# KiCad board MyCPU.kicad_pcb
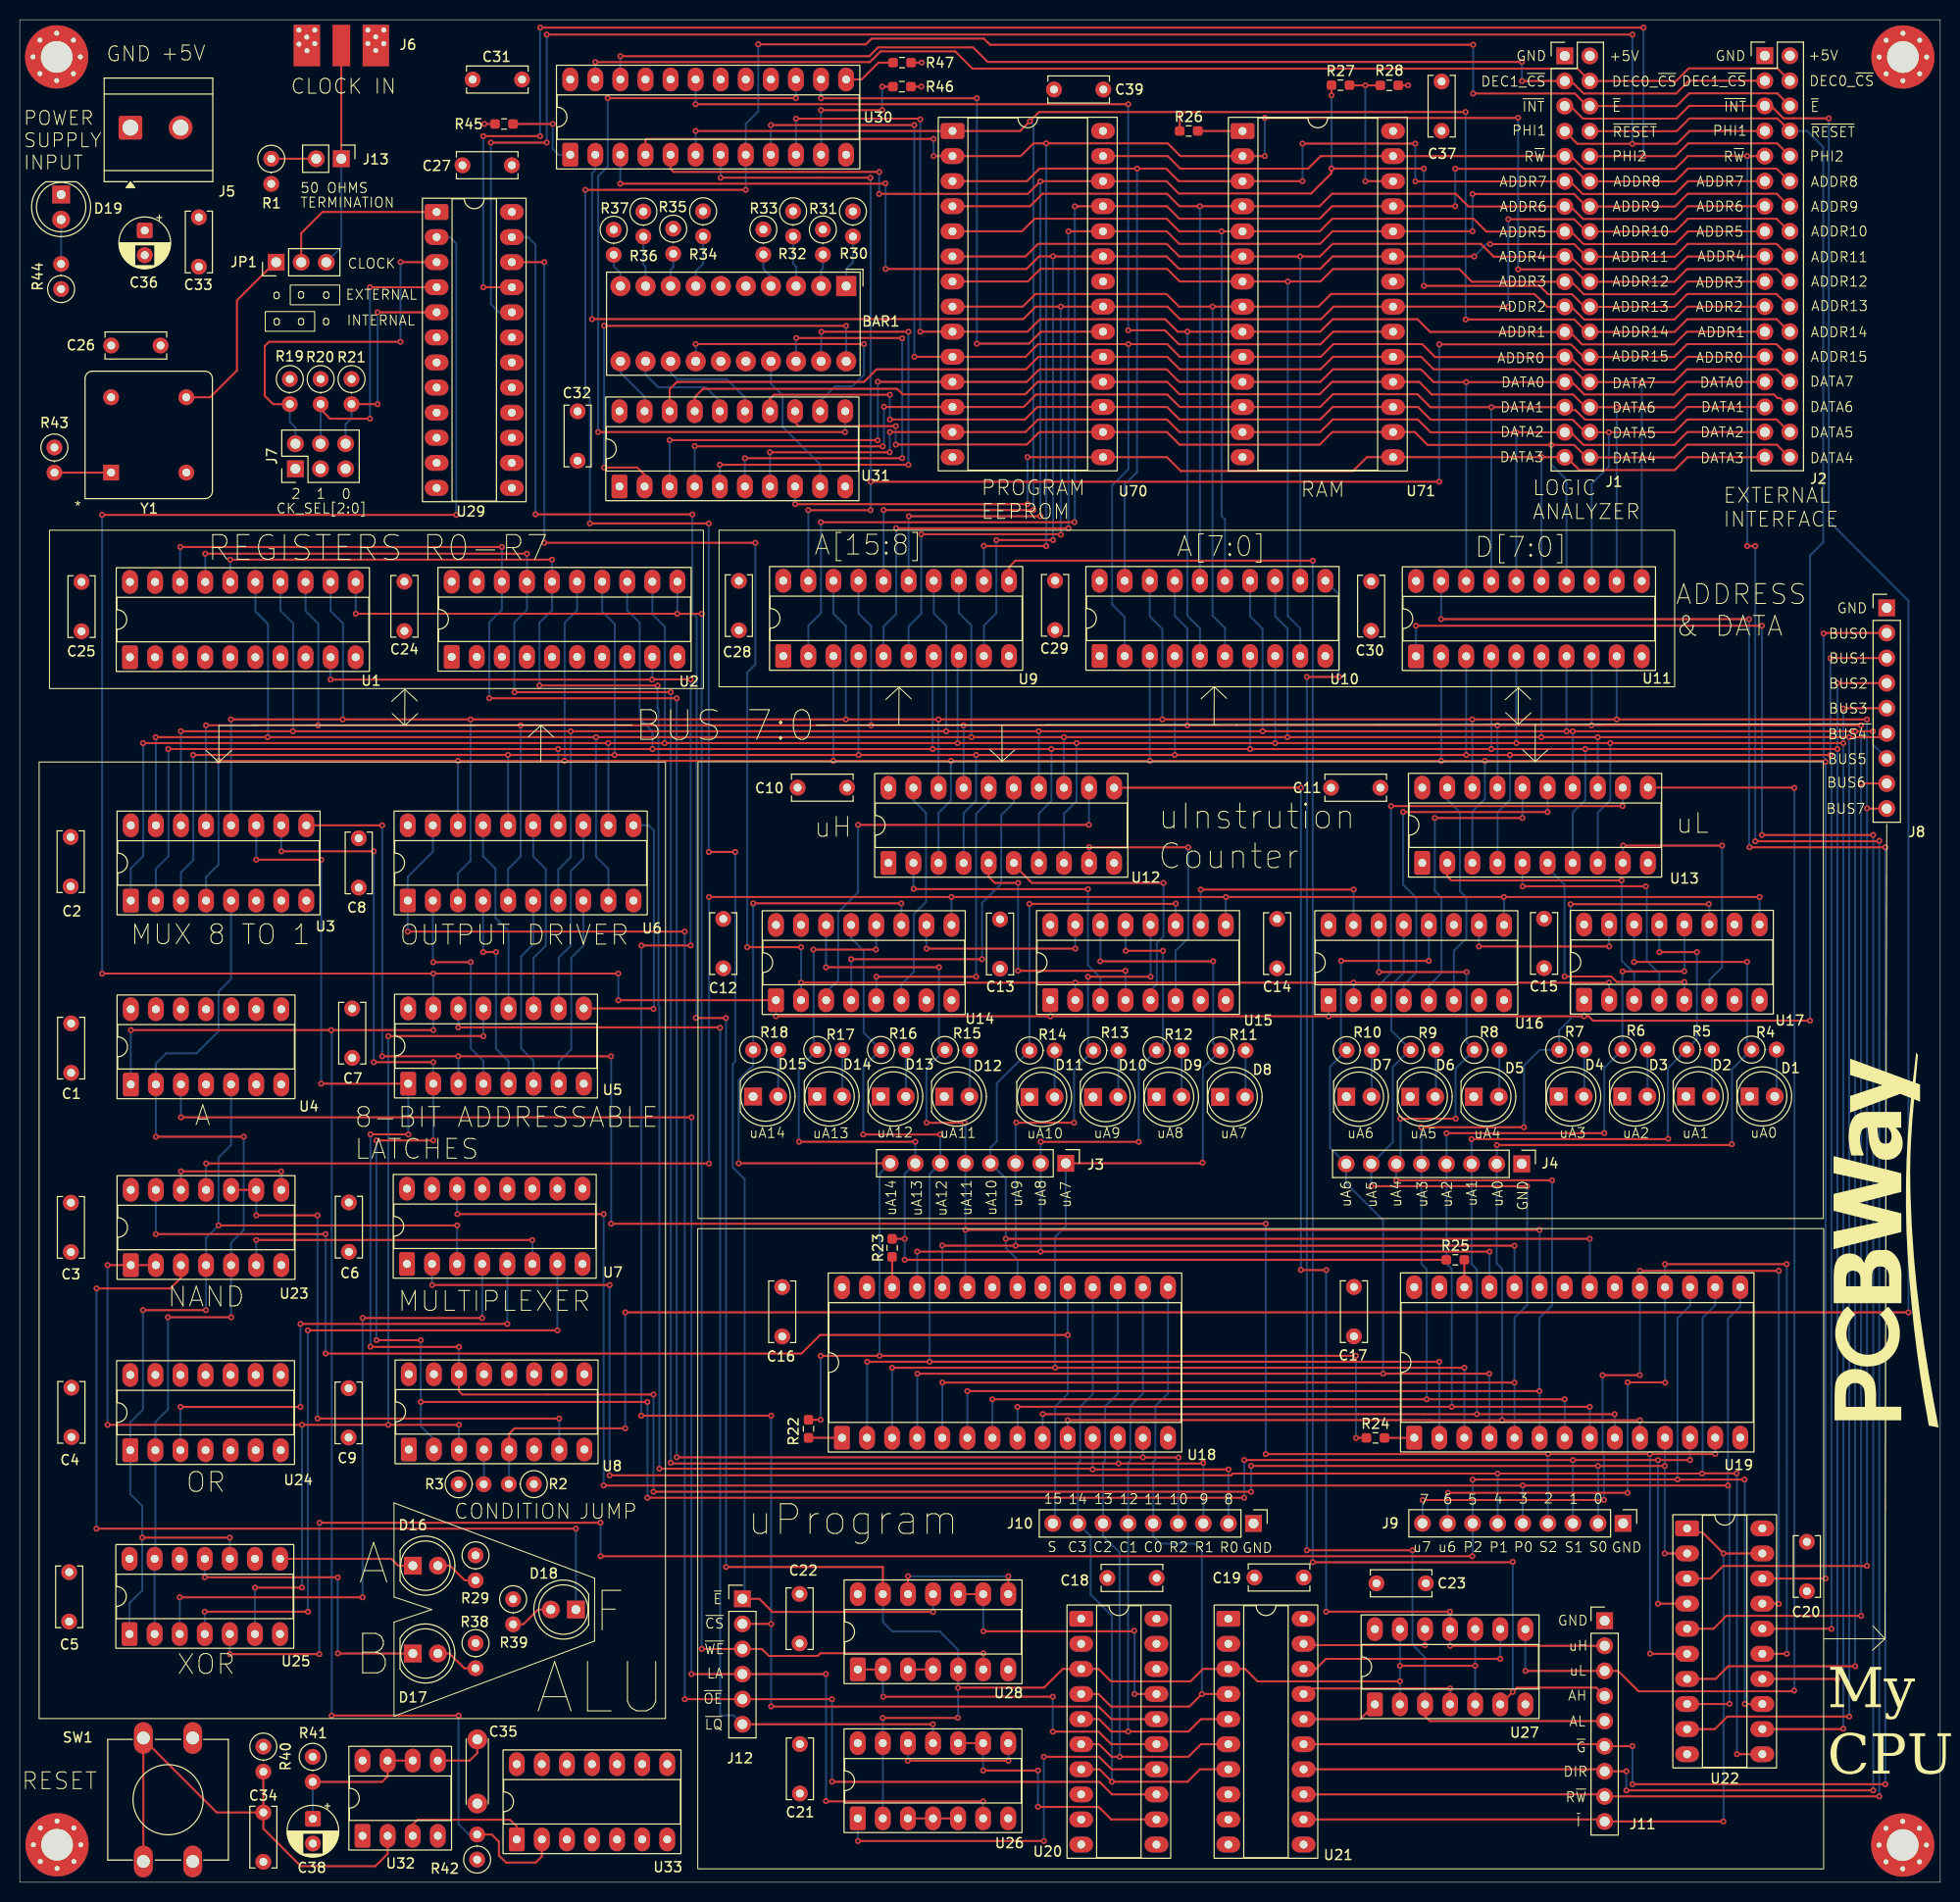
[diagram p0: board, top side]
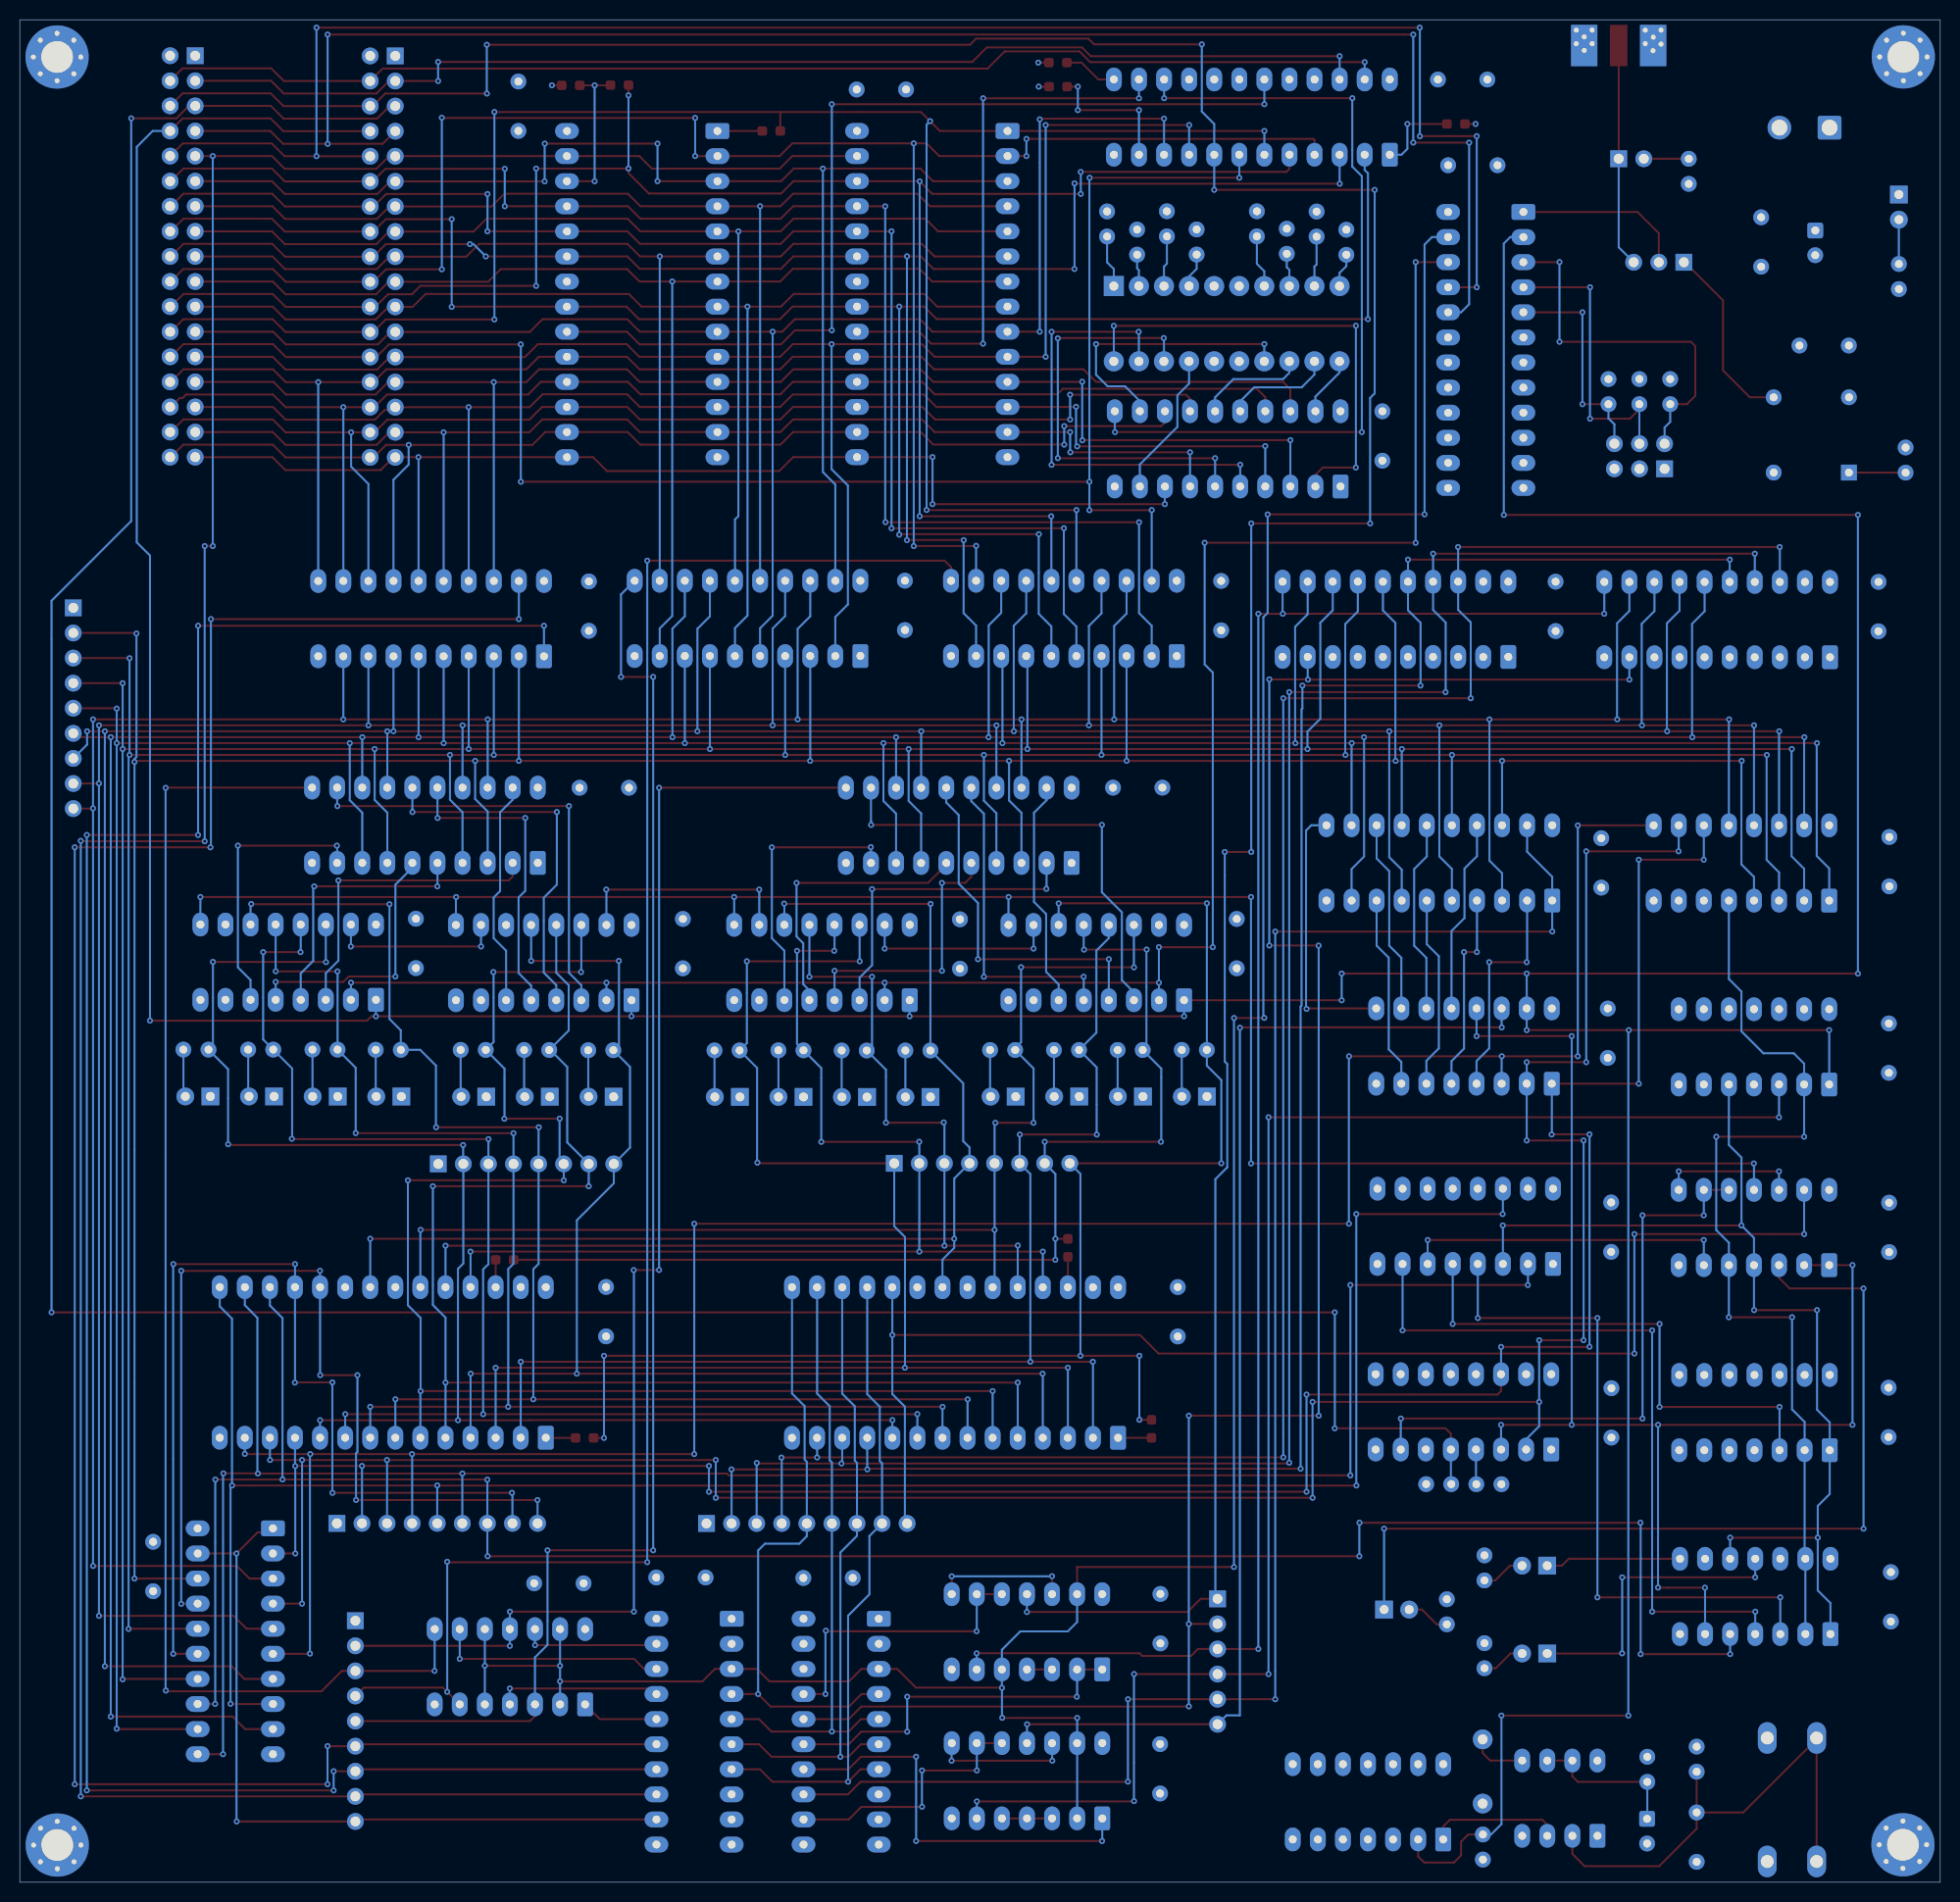
[diagram p1: board, bottom side, seen from below]

Outline 194.5 x 188.55 mm; copper layers: Top, In1.Cu, In2.Cu, Bottom. Coordinates in mm from the lower left corner of the outline.
Outline path: rectangle 0,188.55 194.5,0
Stack: Top 0.035mm / dielectric 0.1mm FR4 er 4.5 / In1.Cu 0.035mm / dielectric 1.24mm FR4 er 4.5 / In2.Cu 0.035mm / dielectric 0.1mm FR4 er 4.5 / Bottom 0.035mm

## Placement (name value [footprint] x y rotation side)
BAR1  HDSP-4830_2  [HDSP-4830]  83.7 161.59 270 top
C1  0.1uF  [C_Disc_D6.0mm_W2.5mm_P5.00mm]  5.21 86.94 270 top
C2  0.1uF  [C_Disc_D6.0mm_W2.5mm_P5.00mm]  5.16 105.82 270 top
C3  0.1uF  [C_Disc_D6.0mm_W2.5mm_P5.00mm]  5.18 68.79 270 top
C4  0.1uF  [C_Disc_D6.0mm_W2.5mm_P5.00mm]  5.23 50.07 270 top
C5  0.1uF  [C_Disc_D6.0mm_W2.5mm_P5.00mm]  5 31.39 270 top
C6  0.1uF  [C_Disc_D6.0mm_W2.5mm_P5.00mm]  33.33 68.82 270 top
C7  0.1uF  [C_Disc_D6.0mm_W2.5mm_P5.00mm]  33.67 88.45 270 top
C8  0.1uF  [C_Disc_D6.0mm_W2.5mm_P5.00mm]  34.33 105.69 270 top
C9  0.1uF  [C_Disc_D6.0mm_W2.5mm_P5.00mm]  33.31 50.02 270 top
C10  0.1uF  [C_Disc_D6.0mm_W2.5mm_P5.00mm]  83.78 110.81 180 top
C11  0.1uF  [C_Disc_D6.0mm_W2.5mm_P5.00mm]  137.8 110.8 180 top
C12  0.1uF  [C_Disc_D6.0mm_W2.5mm_P5.00mm]  71.25 97.52 270 top
C13  0.1uF  [C_Disc_D6.0mm_W2.5mm_P5.00mm]  99.28 97.48 270 top
C14  0.1uF  [C_Disc_D6.0mm_W2.5mm_P5.00mm]  127.34 97.52 270 top
C15  0.1uF  [C_Disc_D6.0mm_W2.5mm_P5.00mm]  154.38 97.54 270 top
C16  0.1uF  [C_Disc_D6.0mm_W2.5mm_P5.00mm]  77.22 60.25 270 top
C17  0.1uF  [C_Disc_D6.0mm_W2.5mm_P5.00mm]  135.12 60.26 270 top
C18  0.1uF  [C_Disc_D6.0mm_W2.5mm_P5.00mm]  115.14 30.81 180 top
C19  0.1uF  [C_Disc_D6.0mm_W2.5mm_P5.00mm]  130.04 30.85 180 top
C20  0.1uF  [C_Disc_D6.0mm_W2.5mm_P5.00mm]  180.99 34.46 270 top
C21  0.1uF  [C_Disc_D6.0mm_W2.5mm_P5.00mm]  79.01 13.98 270 top
C22  0.1uF  [C_Disc_D6.0mm_W2.5mm_P5.00mm]  78.98 29.19 270 top
C23  0.1uF  [C_Disc_D6.0mm_W2.5mm_P5.00mm]  137.4 30.26 0 top
C24  0.1uF  [C_Disc_D6.0mm_W2.5mm_P5.00mm]  38.96 131.67 270 top
C25  0.1uF  [C_Disc_D6.0mm_W2.5mm_P5.00mm]  6.25 131.64 270 top
C26  0.1uF  [C_Disc_D6.0mm_W2.5mm_P5.00mm]  9.26 155.57 0 top
C27  0.1uF  [C_Disc_D6.0mm_W2.5mm_P5.00mm]  49.84 173.82 180 top
C28  0.1uF  [C_Disc_D6.0mm_W2.5mm_P5.00mm]  72.83 131.74 270 top
C29  0.1uF  [C_Disc_D6.0mm_W2.5mm_P5.00mm]  104.86 131.77 270 top
C30  0.1uF  [C_Disc_D6.0mm_W2.5mm_P5.00mm]  136.86 131.69 270 top
C31  0.1uF  [C_Disc_D6.0mm_W2.5mm_P5.00mm]  50.87 182.5 180 top
C32  0.1uF  [C_Disc_D6.0mm_W2.5mm_P5.00mm]  56.5 148.91 270 top
C33  0.1uF  [C_Disc_D6.0mm_W2.5mm_P5.00mm]  18.14 168.55 270 top
C34  0.1uF  [C_Disc_D6.0mm_W2.5mm_P5.00mm]  24.67 7.06 270 top
C35  10nF  [C_Disc_D6.5mm_W2.1mm_P6.50mm]  46.34 14.46 270 top
C36  10 uF  [CP_Radial_D5.0mm_P2.50mm]  12.66 167.22 270 top
C37  0.1uF  [C_Disc_D6.0mm_W2.5mm_P5.00mm]  144 177.3 90 top
C38  10 uF  [CP_Radial_D5.0mm_P2.50mm]  29.69 6.42 270 top
C39  0.1uF  [C_Disc_D6.0mm_W2.5mm_P5.00mm]  109.74 181.49 180 top
D1  LED  [LED_D5.0mm]  175.19 79.55 0 top
D2  LED  [LED_D5.0mm]  168.75 79.55 0 top
D3  LED  [LED_D5.0mm]  162.3 79.54 0 top
D4  LED  [LED_D5.0mm]  155.86 79.54 0 top
D5  LED  [LED_D5.0mm]  147.25 79.52 0 top
D6  LED  [LED_D5.0mm]  140.81 79.52 0 top
D7  LED  [LED_D5.0mm]  134.35 79.52 0 top
D8  LED  [LED_D5.0mm]  121.56 79.5 0 top
D9  LED  [LED_D5.0mm]  115.12 79.5 0 top
D10  LED  [LED_D5.0mm]  108.69 79.49 0 top
D11  LED  [LED_D5.0mm]  102.26 79.49 0 top
D12  LED  [LED_D5.0mm]  93.63 79.53 0 top
D13  LED  [LED_D5.0mm]  87.19 79.54 0 top
D14  LED  [LED_D5.0mm]  80.75 79.54 0 top
D15  LED  [LED_D5.0mm]  74.27 79.54 0 top
D16  LED  [LED_D5.0mm]  39.81 32.05 0 top
D17  LED  [LED_D5.0mm]  39.81 23.16 0 top
D18  LED  [LED_D5.0mm]  56.33 27.6 180 top
D19  LED  [LED_D5.0mm]  4.19 170.86 270 top
H1  MountingHole_Pad  [MountingHole_3.2mm_M3_Pad_Via_Drill_0.5mm]  3.74 184.79 0 top
H2  MountingHole_Pad  [MountingHole_3.2mm_M3_Pad_Via_Drill_0.5mm]  190.72 184.78 0 top
H3  MountingHole_Pad  [MountingHole_3.2mm_M3_Pad_Via_Drill_0.5mm]  3.78 3.79 0 top
H4  MountingHole_Pad  [MountingHole_3.2mm_M3_Pad_Via_Drill_0.5mm]  190.7 3.76 0 top
J1  Conn_02x17_Odd_Even  [PinHeader_2x17_P2.54mm_Vertical]  156.47 184.89 0 top
J2  Conn_02x17_Odd_Even  [PinHeader_2x17_P2.54mm_Vertical]  176.73 184.91 0 top
J3  Conn_01x08  [PinHeader_1x08_P2.54mm_Vertical]  105.94 72.78 270 top
J4  Conn_01x08  [PinHeader_1x08_P2.54mm_Vertical]  152.12 72.72 270 top
J5  Screw_Terminal_01x02  [TerminalBlock_CUI_TB007-508-02_1x02_P5.08mm_Horizontal]  11.21 177.63 0 top
J6  SMA Connector  [GSG-SMA-73251-2120_drill_0.5mm]  32.57 183.85 90 top
J7  Conn_02x03_Odd_Even  [PinHeader_2x03_P2.54mm_Vertical]  27.92 143.09 90 top
J8  Conn_01x09  [PinHeader_1x09_P2.54mm_Vertical]  189.08 129.01 0 top
J9  Conn_01x09  [PinHeader_1x09_P2.54mm_Vertical]  162.38 36.33 270 top
J10  Conn_01x09  [PinHeader_1x09_P2.54mm_Vertical]  124.95 36.32 270 top
J11  Conn_01x09  [PinHeader_1x09_P2.54mm_Vertical]  160.51 26.47 0 top
J12  Conn_01x06  [PinHeader_1x06_P2.54mm_Vertical]  73.19 28.69 0 top
J13  Conn_01x02  [PinHeader_1x02_P2.54mm_Vertical]  32.56 174.48 270 top
JP1  Jumper_3_Bridged12  [PinHeader_1x03_P2.54mm_Vertical]  25.97 164 90 top
R1  50 Ohms  [R_Axial_DIN0207_L6.3mm_D2.5mm_P2.54mm_Vertical]  25.47 174.48 270 top
R2  4.7k  [R_Axial_DIN0207_L6.3mm_D2.5mm_P2.54mm_Vertical]  52.06 40.3 180 top
R3  4.7k  [R_Axial_DIN0207_L6.3mm_D2.5mm_P2.54mm_Vertical]  44.44 40.29 0 top
R4  470  [R_Axial_DIN0207_L6.3mm_D2.5mm_P2.54mm_Vertical]  175.38 84.29 0 top
R5  470  [R_Axial_DIN0207_L6.3mm_D2.5mm_P2.54mm_Vertical]  168.82 84.29 0 top
R6  470  [R_Axial_DIN0207_L6.3mm_D2.5mm_P2.54mm_Vertical]  162.31 84.29 0 top
R7  470  [R_Axial_DIN0207_L6.3mm_D2.5mm_P2.54mm_Vertical]  155.91 84.27 0 top
R8  470  [R_Axial_DIN0207_L6.3mm_D2.5mm_P2.54mm_Vertical]  147.31 84.26 0 top
R9  470  [R_Axial_DIN0207_L6.3mm_D2.5mm_P2.54mm_Vertical]  140.88 84.25 0 top
R10  470  [R_Axial_DIN0207_L6.3mm_D2.5mm_P2.54mm_Vertical]  134.38 84.23 0 top
R11  470  [R_Axial_DIN0207_L6.3mm_D2.5mm_P2.54mm_Vertical]  121.6 84.21 0 top
R12  470  [R_Axial_DIN0207_L6.3mm_D2.5mm_P2.54mm_Vertical]  115.12 84.22 0 top
R13  470  [R_Axial_DIN0207_L6.3mm_D2.5mm_P2.54mm_Vertical]  108.72 84.2 0 top
R14  470  [R_Axial_DIN0207_L6.3mm_D2.5mm_P2.54mm_Vertical]  102.27 84.2 0 top
R15  470  [R_Axial_DIN0207_L6.3mm_D2.5mm_P2.54mm_Vertical]  93.69 84.25 0 top
R16  470  [R_Axial_DIN0207_L6.3mm_D2.5mm_P2.54mm_Vertical]  87.22 84.25 0 top
R17  470  [R_Axial_DIN0207_L6.3mm_D2.5mm_P2.54mm_Vertical]  80.77 84.25 0 top
R18  470  [R_Axial_DIN0207_L6.3mm_D2.5mm_P2.54mm_Vertical]  74.28 84.26 0 top
R19  4.7K  [R_Axial_DIN0207_L6.3mm_D2.5mm_P2.54mm_Vertical]  27.35 152.18 270 top
R20  4.7K  [R_Axial_DIN0207_L6.3mm_D2.5mm_P2.54mm_Vertical]  30.47 152.18 270 top
R21  4.7K  [R_Axial_DIN0207_L6.3mm_D2.5mm_P2.54mm_Vertical]  33.6 152.18 270 top
R22  0 Ohms  [R_0603_1608Metric_Pad0.98x0.95mm_HandSolder]  79.88 45.9 270 top
R23  0 Ohms  [R_0603_1608Metric_Pad0.98x0.95mm_HandSolder]  88.35 64.22 270 top
R24  0 Ohms  [R_0603_1608Metric_Pad0.98x0.95mm_HandSolder]  137.3 44.98 0 top
R25  0 Ohms  [R_0603_1608Metric_Pad0.98x0.95mm_HandSolder]  145.39 63.01 0 top
R26  0 Ohms  [R_0603_1608Metric_Pad0.98x0.95mm_HandSolder]  118.39 177.29 0 top
R27  0 Ohms  [R_0603_1608Metric_Pad0.98x0.95mm_HandSolder]  133.76 181.94 0 top
R28  0 Ohms  [R_0603_1608Metric_Pad0.98x0.95mm_HandSolder]  138.7 181.91 180 top
R29  470  [R_Axial_DIN0207_L6.3mm_D2.5mm_P2.54mm_Vertical]  46.16 33.09 270 top
R30  330  [R_Axial_DIN0207_L6.3mm_D2.5mm_P2.54mm_Vertical]  84.38 169.15 270 top
R31  330  [R_Axial_DIN0207_L6.3mm_D2.5mm_P2.54mm_Vertical]  81.34 167.31 270 top
R32  330  [R_Axial_DIN0207_L6.3mm_D2.5mm_P2.54mm_Vertical]  78.32 169.16 270 top
R33  330  [R_Axial_DIN0207_L6.3mm_D2.5mm_P2.54mm_Vertical]  75.31 167.32 270 top
R34  330  [R_Axial_DIN0207_L6.3mm_D2.5mm_P2.54mm_Vertical]  69.21 169.16 270 top
R35  330  [R_Axial_DIN0207_L6.3mm_D2.5mm_P2.54mm_Vertical]  66.18 167.4 270 top
R36  330  [R_Axial_DIN0207_L6.3mm_D2.5mm_P2.54mm_Vertical]  63.16 169.14 270 top
R37  330  [R_Axial_DIN0207_L6.3mm_D2.5mm_P2.54mm_Vertical]  60.15 167.3 270 top
R38  470  [R_Axial_DIN0207_L6.3mm_D2.5mm_P2.54mm_Vertical]  46.16 24.2 270 top
R39  470  [R_Axial_DIN0207_L6.3mm_D2.5mm_P2.54mm_Vertical]  49.97 28.65 270 top
R40  1M Ohms  [R_Axial_DIN0207_L6.3mm_D2.5mm_P2.54mm_Vertical]  24.67 13.73 270 top
R41  47 kOhms  [R_Axial_DIN0207_L6.3mm_D2.5mm_P2.54mm_Vertical]  29.67 12.7 270 top
R42  1 kOhms  [R_Axial_DIN0207_L6.3mm_D2.5mm_P2.54mm_Vertical]  46.32 2.29 90 top
R43  4.7K  [R_Axial_DIN0207_L6.3mm_D2.5mm_P2.54mm_Vertical]  3.51 145.25 270 top
R44  330  [R_Axial_DIN0207_L6.3mm_D2.5mm_P2.54mm_Vertical]  4.19 161.29 90 top
R45  0 Ohms  [R_0603_1608Metric_Pad0.98x0.95mm_HandSolder]  49.05 178 0 top
R46  0 Ohms  [R_0603_1608Metric_Pad0.98x0.95mm_HandSolder]  89.34 181.78 180 top
R47  0 Ohms  [R_0603_1608Metric_Pad0.98x0.95mm_HandSolder]  89.36 184.21 180 top
REF**  -  [PcbWayLogo]  187.3 63.25 90 top
SW1  SW_Push  [SW_PUSH-12mm]  17.52 14.6 270 top
U1  IMS1423S35  [DIP-20_W7.62mm_Socket_LongPads]  11.17 124.02 90 top
U2  IMS1423S35  [DIP-20_W7.62mm_Socket_LongPads]  43.75 124.05 90 top
U3  74LS151  [DIP-16_W7.62mm_Socket_LongPads]  11.25 99.38 90 top
U4  74LS74  [DIP-14_W7.62mm_Socket_LongPads]  11.25 80.76 90 top
U5  74LS259  [DIP-16_W7.62mm_Socket_LongPads]  39.34 80.84 90 top
U6  74LS244  [DIP-20_W7.62mm_Socket_LongPads]  39.3 99.38 90 top
U7  74LS153  [DIP-16_W7.62mm_Socket_LongPads]  39.22 62.59 90 top
U8  74LS153  [DIP-16_W7.62mm_Socket_LongPads]  39.4 43.81 90 top
U9  74LS374  [DIP-20_W7.62mm_Socket_LongPads]  77.33 124.14 90 top
U10  74LS374  [DIP-20_W7.62mm_Socket_LongPads]  109.37 124.14 90 top
U11  74LS245  [DIP-20_W7.62mm_Socket_LongPads]  141.41 124.11 90 top
U12  74LS374  [DIP-20_W7.62mm_Socket_LongPads]  87.97 103.19 90 top
U13  74LS374  [DIP-20_W7.62mm_Socket_LongPads]  142.04 103.2 90 top
U14  74HCT161N  [DIP-16_W7.62mm_Socket_LongPads]  76.59 89.29 90 top
U15  74HCT161N  [DIP-16_W7.62mm_Socket_LongPads]  104.37 89.3 90 top
U16  74HCT161N  [DIP-16_W7.62mm_Socket_LongPads]  132.55 89.29 90 top
U17  74HCT161N  [DIP-16_W7.62mm_Socket_LongPads]  158.43 89.33 90 top
U18  28C256  [DIP-28_W15.24mm_Socket_LongPads]  83.27 44.99 90 top
U19  28C256  [DIP-28_W15.24mm_Socket_LongPads]  141.23 45 90 top
U20  GAL16V8  [DIP-20_W7.62mm_Socket_LongPads]  107.5 26.67 0 top
U21  GAL16V8  [DIP-20_W7.62mm_Socket_LongPads]  122.4 26.67 0 top
U22  74LS244  [DIP-20_W7.62mm_Socket_LongPads]  168.86 35.82 0 top
U23  74LS00  [DIP-14_W7.62mm_Socket_LongPads]  11.25 62.47 90 top
U24  74LS32  [DIP-14_W7.62mm_Socket_LongPads]  11.19 43.74 90 top
U25  74LS86  [DIP-14_W7.62mm_Socket_LongPads]  11.12 25.12 90 top
U26  74LS00  [DIP-14_W7.62mm_Socket_LongPads]  84.87 6.46 90 top
U27  74LS08  [DIP-14_W7.62mm_Socket_LongPads]  137.24 18 90 top
U28  74LS00  [DIP-14_W7.62mm_Socket_LongPads]  84.88 21.54 90 top
U29  GAL22V10  [DIP-24_W7.62mm_Socket_LongPads]  42.22 169.09 0 top
U30  GAL22V10  [DIP-24_W7.62mm_Socket_LongPads]  55.75 174.89 90 top
U31  74LS374  [DIP-20_W7.62mm_Socket_LongPads]  60.74 141.3 90 top
U32  NE555P  [DIP-8_W7.62mm_Socket_LongPads]  34.72 4.7 90 top
U33  74LS04  [DIP-14_W7.62mm_Socket_LongPads]  50.34 4.33 90 top
U70  28C256  [DIP-28_W15.24mm_Socket_LongPads]  94.47 177.29 0 top
U71  HM62256BLP  [DIP-28_W15.24mm_Socket_LongPads]  123.84 177.29 0 top
Y1  EC1125HSTS 26.8 MHz  [Oscillator_DIP-8]  9.25 142.71 0 top

## Library data of the parts
BAR1 = -: Datasheet: https://docs.broadcom.com/docs/AV02-1798EN; Description: BAR GRAPH 10 segment block, high efficiency red; ki_fp_filters: HDSP?48*
C1-C35 C37 C39 = -: Description: capacitor, small US symbol; ki_fp_filters: C_*
C36 C38 = -: Description: Polarized capacitor, small symbol; ki_fp_filters: CP_*
D1-D19 = -: Description: Light emitting diode; Sim.Pins: 1=K 2=A; ki_fp_filters: LED* LED_SMD:* LED_THT:*
H1-H4 = -: Description: Mounting Hole with connection; ki_fp_filters: MountingHole*Pad*
J1 J2 = -: Description: Generic connector, double row, 02x17, odd/even pin numbering scheme (row 1 odd numbers, row 2 even numbers), script generated (kicad-library-utils/schlib/autogen/connector/); ki_fp_filters: Connector*:*_2x??_*
J3 J4 = -: Description: Generic connector, single row, 01x08, script generated (kicad-library-utils/schlib/autogen/connector/); ki_fp_filters: Connector*:*_1x??_*
J5 = -: Description: Generic screw terminal, single row, 01x02, script generated (kicad-library-utils/schlib/autogen/connector/); ki_fp_filters: TerminalBlock*:*
J6 = -: Description: coaxial connector (BNC, SMA, SMB, SMC, Cinch/RCA, LEMO, ...); ki_fp_filters: *BNC* *SMA* *SMB* *SMC* *Cinch* *LEMO* *UMRF* *MCX* *U.FL*
J7 = -: Description: Generic connector, double row, 02x03, odd/even pin numbering scheme (row 1 odd numbers, row 2 even numbers), script generated (kicad-library-utils/schlib/autogen/connector/); ki_fp_filters: Connector*:*_2x??_*
J8-J11 = -: Description: Generic connector, single row, 01x09, script generated (kicad-library-utils/schlib/autogen/connector/); ki_fp_filters: Connector*:*_1x??_*
J12 = -: Description: Generic connector, single row, 01x06, script generated (kicad-library-utils/schlib/autogen/connector/); ki_fp_filters: Connector*:*_1x??_*
J13 = -: Description: Generic connector, single row, 01x02, script generated (kicad-library-utils/schlib/autogen/connector/); ki_fp_filters: Connector*:*_1x??_*
JP1 = -: Description: Jumper, 3-pole, pins 1+2 closed/bridged; ki_fp_filters: Jumper* TestPoint*3Pads* TestPoint*Bridge*
R1-R47 = -: Description: Resistor, US symbol; ki_fp_filters: R_*
SW1 = -: Description: Push button switch, generic, two pins
U3 = -: Datasheet: http://www.ti.com/lit/gpn/sn74LS151; Description: Multiplexer 8 to 1; ki_fp_filters: DIP?16*
U4 = -: Datasheet: 74xx/74hc_hct74.pdf; Description: Dual D Flip-flop, Set & Reset; ki_fp_filters: DIP*W7.62mm*
U5 = -: Datasheet: http://www.ti.com/lit/gpn/sn74LS259; Description: 8-bit addressable latch; ki_fp_filters: DIP?16*
U6 U22 = -: Datasheet: http://www.ti.com/lit/ds/symlink/sn74ls244.pdf; Description: Octal Buffer and Line Driver With 3-State Output, active-low enables, non-inverting outputs; ki_fp_filters: DIP?20*
U7 U8 = -: Datasheet: http://www.ti.com/lit/gpn/sn74LS153; Description: Dual Multiplexer 4 to 1; ki_fp_filters: DIP?16*
U9 U10 U12 U13 U31 = -: Datasheet: http://www.ti.com/lit/gpn/sn74LS374; Description: 8-bit Register, 3-state outputs; ki_fp_filters: DIP?20* SOIC?20* SO?20*
U11 = -: Datasheet: http://www.ti.com/lit/gpn/sn74LS245; Description: Octal BUS Transceivers, 3-State outputs; ki_fp_filters: DIP?20*
U14-U17 = -: Datasheet: http://www.ti.com/lit/gpn/sn74LS161; Description: Synchronous 4-bit programmable binary Counter; ki_fp_filters: DIP?16*
U18 U19 U70 = -: Datasheet: http://ww1.microchip.com/downloads/en/DeviceDoc/doc0006.pdf; Description: Paged Parallel EEPROM 256Kb (32K x 8), DIP-28/SOIC-28; ki_fp_filters: DIP*W15.24mm* SOIC*7.5x17.9mm*P1.27mm*
U20 U21 = -: Description: Programmable Logic Array, DIP-20/SOIC-20/PLCC-20; ki_fp_filters: DIP* PDIP* SOIC* SO* PLCC*
U23 U26 U28 = -: Datasheet: http://www.ti.com/lit/gpn/sn74ls00; Description: quad 2-input NAND gate; ki_fp_filters: DIP*W7.62mm* SO14*
U24 = -: Datasheet: http://www.ti.com/lit/gpn/sn74LS32; Description: Quad 2-input OR; ki_fp_filters: DIP?14*
U25 = -: Datasheet: 74xx/74ls86.pdf; Description: Quad 2-input XOR; ki_fp_filters: DIP*W7.62mm*
U27 = -: Datasheet: http://www.ti.com/lit/gpn/sn74LS08; Description: Quad And2; ki_fp_filters: DIP*W7.62mm*
U29 U30 = -: Datasheet: https://www.alldatasheet.com/datasheet-pdf/pdf/149182/ANACHIP/PEEL22CV10AP-15L.html; Description: Not in Production, CMOS Programmable Electrically Erasable Logic Device, DIP-24; ki_fp_filters: DIP*W7.62mm*
U32 = -: Datasheet: http://www.ti.com/lit/ds/symlink/ne555.pdf; Description: Precision Timers, 555 compatible,  PDIP-8; ki_fp_filters: DIP*W7.62mm*
U33 = -: Datasheet: http://www.ti.com/lit/gpn/sn74LS04; Description: Hex Inverter; ki_fp_filters: DIP*W7.62mm* SSOP?14* TSSOP?14*
U71 = -: Datasheet: https://web.mit.edu/6.115/www/document/62256.pdf; Description: 32,768-word × 8-bit High Speed CMOS Static RAM, 70ns, DIP-28; ki_fp_filters: DIP*W15.24mm*
Y1 = -: Datasheet: http://cdn-reichelt.de/documents/datenblatt/B400/OSZI.pdf; Description: Crystal Clock Oscillator, DIP8-style metal package; ki_fp_filters: Oscillator*DIP*8*
